# KiCad board RASBB.kicad_pcb (continued)
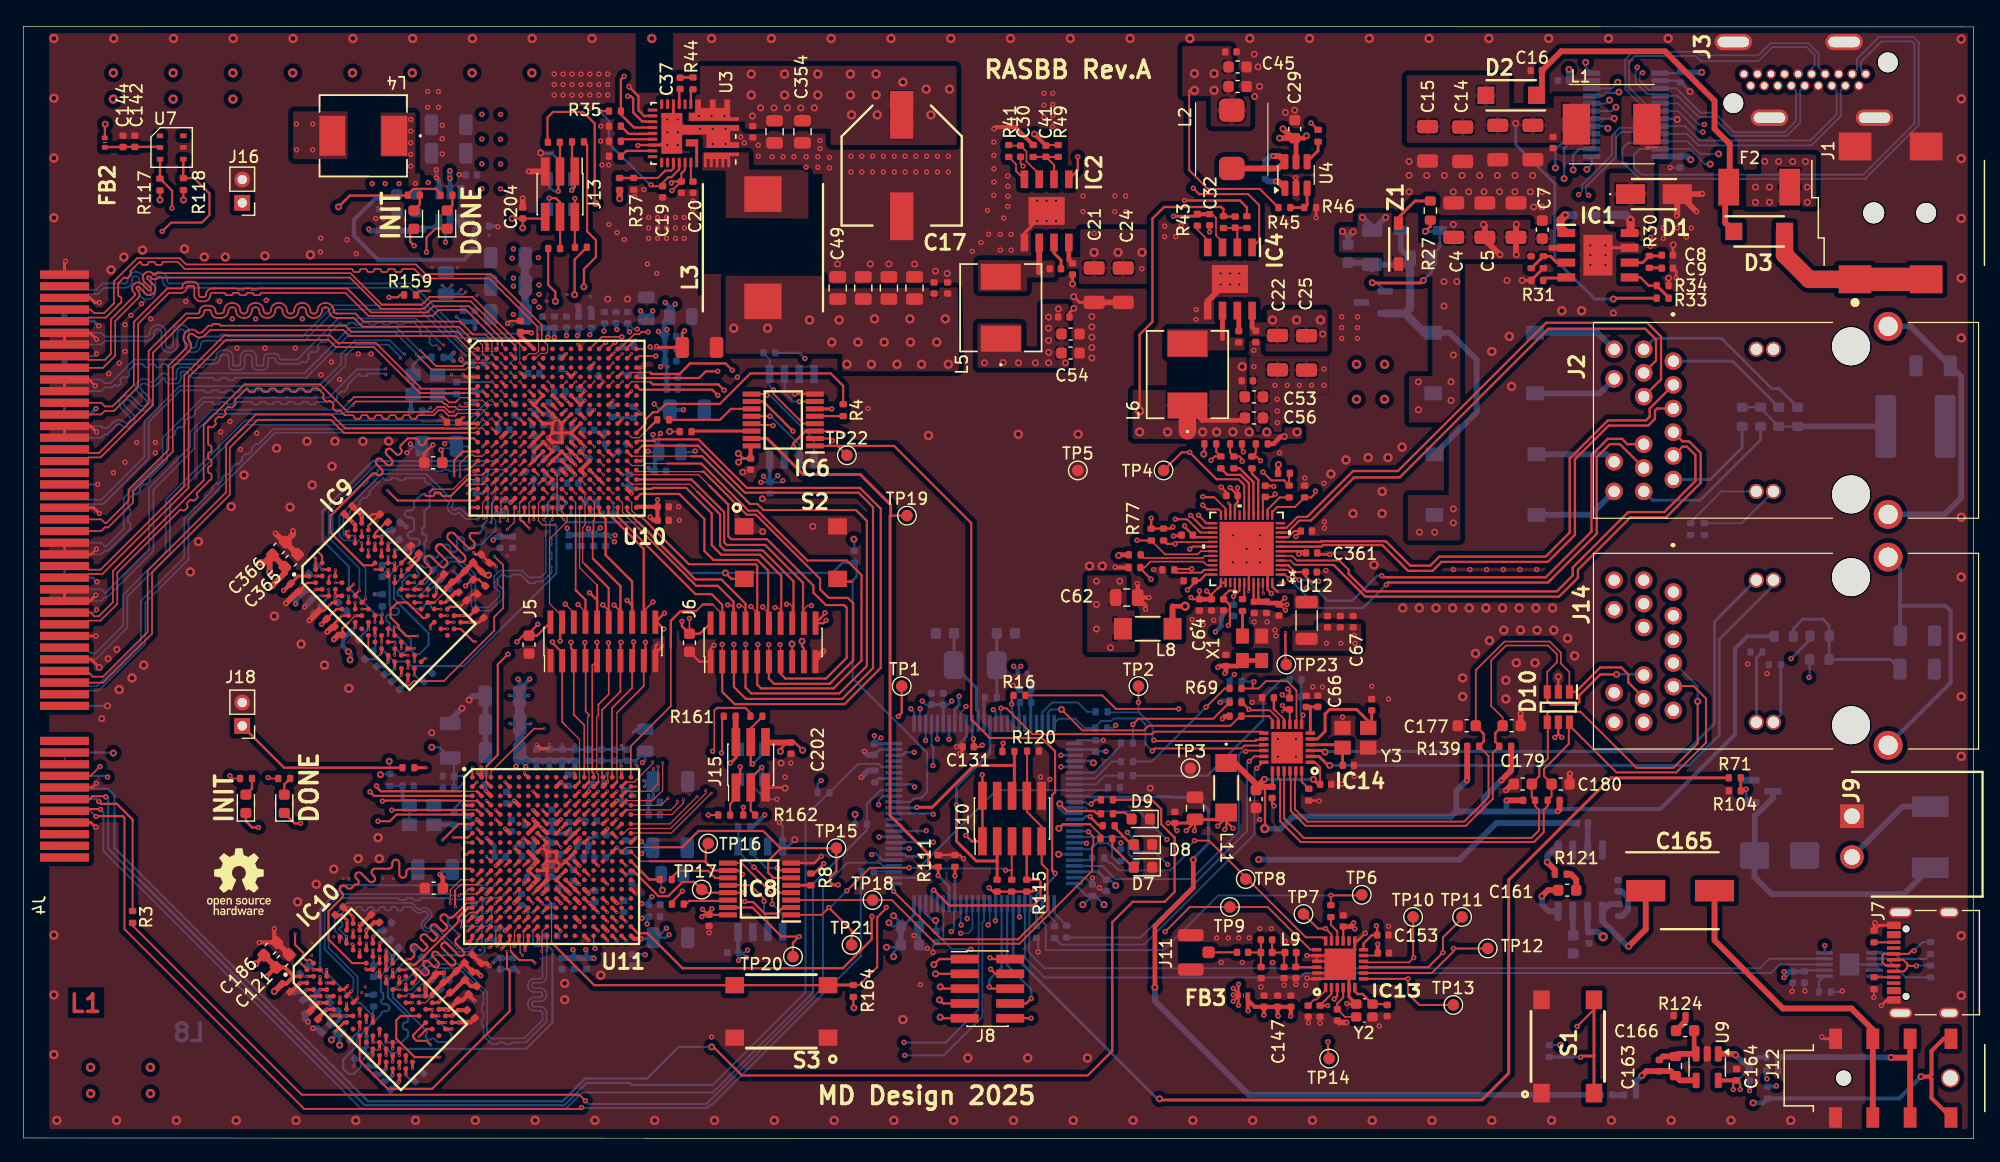
[diagram p0: board, top side]
## Routing (per net, layer and track width the routed paths; a pad name or vN(x,y) marks a point on that pad's centre or on a via; arc(x,y) is an arc through that point) (continued)
Net-(D6-K): length 24.6
  Bottom w0.5: F1.1 161.23,20.97 149.92,20.97 148.44,22.45 D6.1 148.47,24.32 148.47,27.67 150.03,29.23 Q1.3
Net-(D7-A): length 3.2
  Top w0.2: 95.15,23.28 93.38,25.05 R108.2
Net-(D8-A): length 2.1
  Top w0.2: 93.58,26.69 95.04,25.22
Net-(D9-A): length 1.7
  Top w0.2: 93.53,27.97 94.48,27.97 D9.2
Net-(D11-I/O1): length 5.6
  Top w0.186: J13.3 46.02,85.45
  Top w0.2: v4(45.87,81.27) 45.87,82.82
  Bottom w0.2: D11.1 45.1,81.64 45.47,81.27 v4(45.87,81.27)
Net-(D11-I/O2): length 5
  Top w0.186: R152.1 47.05,83.21
  Top w0.2: J13.1 47.29,81.61 v4(47.02,81.34)
  Bottom w0.2: v4(47.02,81.34) 47.02,82.29
Net-(D11-I/O3): length 5.2
  Top w0.186: J13.2 47.29,76.47
  Top w0.2: 47.29,79.07 v4(47.29,80.64)
  Bottom w0.2: D11.4 47.29,80 v4(47.29,80.64)
Net-(D11-I/O4): length 6
  Top w0.186: R155.1 46.03,79.06
  Top w0.2: v4(45.09,80.67) 45.67,80.67 46.02,80.32 J13.4
  Bottom w0.2: D11.6 45.1,80.66 v4(45.09,80.67)
Net-(D12-I/O1): length 4.9
  Top w0.177: J15.3 62.37,28.14 R162.1
  Top w0.2: v4(63.32,31.84) 62.37,30.89
  Bottom w0.2: v4(63.32,31.84) 63.4,31.76 D12.1
Net-(D12-I/O2): length 4.7
  Top w0.177: 61.1,29.2 60.61,28.71 R160.1
  Top w0.2: v4(61.47,31.89) 61.47,30.49 J15.1
  Bottom w0.2: D12.3 61.5,31.86 v4(61.47,31.89)
Net-(D12-I/O3): length 5.4
  Top w0.25: v4(60.62,32.22) 60.65,32.22 61.1,32.67 J15.2
  Top w0.5: R161.1 61.08,34.04
  Bottom w0.25: 61.5,33.1 v4(60.62,32.22)
Net-(D12-I/O4): length 5.8
  Top w0.177: J15.4 62.37,35.2 63.37,36.2
  Top w0.2: 62.42,32.02 62.37,32.07 J15.4
  Bottom w0.2: v4(62.53,32.13) 63.4,33
Net-(D13-A): length 1.5
  Top w0.2: D13.2 34,80.12 34,80.92
Net-(D14-A): length 1.7
  Top w0.141: 22.44,29.44 D14.2
  Top w0.2: D14.2 22.38,30.39 R56.2
Net-(D15-A): length 1.5
  Top w0.2: D15.2 36.79,80.07 R54.2
Net-(D16-A): length 1.7
  Top w0.141: 19.15,29.44 D16.2
  Top w0.2: R103.2 19.61,30.03 D16.2
Net-(F1-Pad2): length 8.5
  Bottom w0.5: F1.2 161.12,28.48 J9.2
Net-(IC1-BOOT): length 2.6
  Top w0.7: IC1.1 131.82,78.17 131.82,78.82 v1(132.22,79.22)
  Bottom w0.7: C10.1 v1(132.22,79.22)
Net-(IC1-COMP): length 2.9
  Top w0.25: 140.43,75.72 R30.2 138.85,75.14 IC1.6
Net-(IC1-EN): length 3.6
  Top w0.25: 129.32,74.67 R29.2 130.95,75.69 131.5,75.14 IC1.3
Net-(IC1-FB): length 4.1
  Top w0.2: R34.1 139.37,73.17 138.66,73.88 IC1.5
  Top w0.25: 141.08,72.15 R34.1
Net-(IC1-RT/SYNC): length 2
  Top w0.25: 132.25,73.82 130.53,73.82 R31.2
Net-(IC1-SW): length 4.3
  Top w0.16: 139.25,84.89 139.4,85.04 ; 139.11,85.04 140.1,85.04
  Top w0.7: 137.82,77.77 v1(137.82,78.82)
  Bottom w0.7: R32.1 137.4,79.24 v1(137.82,78.82)
Net-(IC2-PG): length 2.5
  Top w0.141: 85.12,83.22 85.12,83.58 R41.2
  Top w0.17: IC2.4 85.12,83.01 85.12,83.22
Net-(IC2-SW): length 2.6
  Top w0.5: 87.12,74.32 87.11,74.33 IC2.6
Net-(IC2-VBST): length 2.5
  Top w0.25: C35.2 88.98,75.36 88.38,75.96 IC2.7
Net-(IC2-VFB): length 4.3
  Top w0.17: R49.2 87.69,84.21 ; C41.2 88.38,83.52 IC2.2 ; R50.2 87.68,84.21
Net-(IC3-SW): length 5.7
  Bottom w0.25: v4(36.57,82.37) 36.59,82.35
  Bottom w0.4: 36.59,82.35 IC3.2
  Bottom w0.5: v4(29.62,78.02) 29.76,77.88 33.19,77.88 C34.1 ; v4(36.57,82.37) v4(36.57,83.02)
  vias: v4(23.42,87.02) v4(23.42,84.82) v4(24.82,87.02) v4(24.82,84.82)
Net-(IC3-VBST): length 1.8
  Bottom w0.25: 34.12,78.25 34.19,78.17 35.13,78.17 IC3.6
Net-(IC3-VFB): length 2.7
  Bottom w0.35: 38.62,77.25 38.62,77.99 38.9,78.27 38.49,78.68 IC3.4
Net-(IC4-PG): length 2.2
  Top w0.141: R43.2 100.67,77.97 101.56,77.08 IC4.4
Net-(IC4-SW): length 3.4
  Top w0.4: 102.82,71.03 102.82,70.11 ; 102.82,68.62 102.82,71.02 ; C36.1 104.1,68.31
Net-(IC4-VBST): length 1.6
  Top w0.4: 104.22,70.9 C36.2
Net-(IC4-VFB): length 3.5
  Top w0.17: C43.2 104.89,78.14 ; R51.1 103.88,78.11 ; IC4.2 104.09,77.95
Net-(IC5-CS#): length 8.5
  Top w0.16: IC6.4 66.88,61.33 64.32,63.88 v4(64.32,64.22)
  Bottom w0.16: v4(64.32,64.22) 64,64.54 IC5.1 64,66.86 R53.2
Net-(IC5-SCK): length 6.4
  Top w0.16: v4(64.02,61.97) IC6.12
  Bottom w0.16: IC5.6 66.53,59.53 64.1,61.97 v4(64.02,61.97)
Net-(IC5-SI/IO0): length 8.7
  Top w0.16: IC6.9 63.67,63.87 v4(63.77,63.77)
  Bottom w0.16: v4(63.77,63.77) 64.02,63.77 67.81,59.98 IC5.5
Net-(IC5-SO/IO1): length 4.5
  Top w0.16: v4(66.54,63.22) 67.86,63.22
  Bottom w0.16: 65.26,65.59 65.26,63.97 66.02,63.22 v4(66.54,63.22)
Net-(IC7-CS#): length 7.7
  Top w0.16: v4(62.65,23.3) 64.85,21.1 IC8.4
  Bottom w0.16: R55.2 61.31,25.08 ; v4(62.65,23.3) 61.29,24.65
Net-(IC7-SCK): length 6.6
  Top w0.16: v4(63.52,20.37) 63.52,20.57 62.35,21.74 60.42,21.74
  Bottom w0.16: v4(63.52,20.37) 63.52,19.27 63.84,18.95 63.84,17.71
Net-(IC7-SI/IO0): length 8.6
  Top w0.16: v4(64.22,20.12) 64.22,21 61.58,23.64 60.42,23.64
  Bottom w0.16: v4(64.22,20.12) 65.1,19.23 IC7.5
Net-(IC7-SO/IO1): length 4.5
  Top w0.16: IC8.7 64.86,23.01 v4(64.65,23.22)
  Bottom w0.16: v4(64.65,23.22) 63.69,23.22 62.56,24.34 IC7.2
Net-(IC9-ZQ): length 2.7
  Top w0.1: IC9.L8 v2(34.68,46.56)
  Bottom w0.1: v2(34.68,46.56) 34.68,46.83 35.25,47.4 36.31,47.4
Net-(IC10-ZQ): length 2.7
  Top w0.25: IC10.L8 v2(33.93,12.23)
  Bottom w0.35: v2(33.93,12.23) 35.15,12.23 R90.1
Net-(IC12-PH1-OSC_OUT): length 2.2
  Bottom w0.25: 82.38,37.78 IC12.13
Net-(IC13-DCC_FB): length 18.3
  Top w0.177: 111.19,11.44 112.17,12.42 IC13.2
  Top w0.2: v4(116.02,18.27) 116.09,18.2 C153.1 115.65,17.47 114.92,16.74 IC13.12 ; C150.1 v4(111.84,11.42)
  In1.Cu w0.2: v4(111.84,11.42) 111.65,11.62 111.65,16.89 112.57,17.82 112.57,19.29 112.92,19.64 112.92,19.69 115.17,19.69 116.02,18.84 v4(116.02,18.27)
Net-(IC13-RFIO): length 3
  Top w0.177: L9.1 109.16,14.78 ; IC13.22 109.14,14.71
Net-(IC13-VR_PA): length 2
  Top w0.141: 111.67,12.72 110.87,11.92 110.67,11.92 C151.1
Net-(IC13-XTA): length 4
  Top w0.141: C149.1 113.32,10.44 Y2.3
  Top w0.177: 113.17,12.09 112.67,11.59 C149.1
  Top w0.186: 113.17,12.09 IC13.4
Net-(IC13-XTB): length 3.5
  Top w0.2: IC13.6 114.17,12.64 114.41,12.41 114.83,12.41 Y2.1 116.88,11.54
Net-(IC14-CRS_DV/~{MODE2}): length 5.2
  Top w0.141: IC14.11 107.61,36.03 106.9,36.74 106.65,36.74
  Top w0.16: 104.47,37.42 v4(105.07,36.82) 105.15,36.74 106.65,36.74
  Bottom w0.16: R137.1 105.07,36.94 v4(105.07,36.82)
Net-(IC14-RBIAS): length 1.8
  Top w0.16: IC14.24 109.61,30.63 R134.2
Net-(IC14-RXD0/~{MODE0}): length 9.9
  Top w0.141: 109.17,35.6 109.17,38.44
  Top w0.16: 105.42,38.62 R69.2 ; 105.42,38.62 105.42,39.09 v4(105.52,39.19) ; 105.42,38.62 105.92,38.62 106.54,39.24 108.37,39.24 109.17,38.44
  Bottom w0.16: R133.1 105.5,39.22 v4(105.52,39.19)
Net-(IC14-RXD1/~{MODE1}): length 3.6
  Top w0.16: v4(109.73,36.33) 109.61,36.21 IC14.7
  Bottom w0.16: 109.53,37.62 109.53,36.53 v4(109.73,36.33)
  Bottom w0.2: 109.56,39.32 109.56,37.89
Net-(IC14-RXER/~{PHYAD0}): length 2.6
  Top w0.141: 107.37,36.72 108.11,35.98 IC14.10
  Top w0.2: 107.37,36.72 107.23,36.86 R135.1
Net-(IC14-VDDCR): length 3.3
  Top w0.25: 110.9,37.04 110.4,37.04 ; 110.4,37.04 110.36,37 IC14.6 ; 110.4,37.04 109.91,37.04
Net-(IC14-XTAL1/CLKIN): length 9.1
  Top w0.25: IC14.5 110.97,34.29 111.62,34.94 111.62,36.42 112.02,36.82 114.32,36.82 115.32,35.82 Y3.1 ; C176.1 115.62,35.54
Net-(IC14-XTAL2): length 4
  Top w0.25: IC14.4 112.87,33.79 ; Y3.3 113.12,32.04
Net-(J2-GN_K): length 6.7
  Bottom w0.17: J2.18 145.61,55.52 142.97,52.88
Net-(J2-MDCT1): length 13.6
  Bottom w0.25: J2.12 139.7,54.76 143.78,54.76 148.97,59.95 148.97,61.09
Net-(J2-MDCT2): length 8.9
  Bottom w0.25: 147.39,61.09 147.39,59.28 144.65,56.54 J2.6
Net-(J2-MDCT3): length 10.7
  Bottom w0.25: J2.1 146.57,66.69 150.51,62.74
Net-(J2-MDCT4): length 16
  Bottom w0.25: R81.2 150.54,64.34 149.93,64.34 145.62,68.65 139.88,68.65 J2.7
Net-(J2-VDC1+): length 7.4
  Bottom w0.5: J2.13 134.98,69.13 D4.4
Net-(J2-VDC1-): length 7.3
  Bottom w0.5: D4.2 135.17,63.93 J2.14
Net-(J2-VDC2+): length 6.9
  Bottom w0.5: D5.4 135.76,58.7 J2.15
Net-(J2-VDC2-): length 7.3
  Bottom w0.5: 129.93,53.52 134.41,53.52 J2.16
Net-(J2-YL_K): length 7.1
  Bottom w0.17: J2.20 147.34,52.79 R83.1
Net-(J7-CC1): length 1.7
  Top w0.177: J7.A5 R97.1
Net-(J7-CC2): length 1.7
  Top w0.177: R98.1 160.37,16.84
Net-(J7-D+-PadA6): length 6.3
  Top w0.177: v4(162.12,16.12) 161.92,16.12 161.65,15.85 J7.B6 159.55,15.85 159.42,15.72 159.42,15.12 159.69,14.85 J7.A6
  Bottom w0.177: v4(162.12,16.12) 162.86,16.86 R100.2
Net-(J7-D--PadA7): length 5.1
  Top w0.177: 161.52,15.02 161.52,14.62 161.25,14.35 J7.B7 ; 161.52,15.02 161.19,15.35 J7.A7 ; 161.52,15.02 161.72,14.82 v4(162.32,14.82)
  Bottom w0.177: R99.2 162.36,14.86 v4(162.32,14.82)
Net-(J11-In): length 2.4
  Top w0.177: C159.1 J11.1
Net-(J14-GN_K): length 6.2
  Bottom w0.25: R150.1 148.62,41.25 148.62,35.77
Net-(J14-MDCT1): length 16.9
  In4.Cu w0.17: 139.31,35.43 145.84,35.43 v4(151.59,41.17)
  Bottom w0.25: v4(151.59,41.17) 153.19,42.78
Net-(J14-MDCT2): length 14.3
  In3.Cu w0.2: v4(153.12,39.57) 152.62,39.07 143.78,39.07 141.51,36.79
  Bottom w0.2: 153.18,41.1 153.18,39.62 v4(153.12,39.57)
Net-(J14-YL_K): length 5.1
  Bottom w0.25: R151.1 150.7,36.38 150.09,35.77
Net-(J16-Pin_1): length 19.5
  Top w0.177: 32.64,72.38 32.33,72.38 32.12,72.17 v4(31.36,72.17)
  In3.Cu w0.177: 31.28,72.25 22.9,72.25 18.77,76.38 J16.1
Net-(J18-Pin_1): length 15.2
  Top w0.2: R167.1 22.36,31.82 J18.1
Net-(Q1-G): length 2.9
  Top w0.25: v4(147.73,29.98) 147.59,29.84 R104.1 R71.2
  Bottom w0.25: v4(147.73,29.98) 147.73,29.27 Q1.1
Net-(R27-Pad2): length 3.8
  Top w0.25: R27.2 119.34,80.44 117.92,79.02 Z1.2
Net-(R121-Pad1): length 3
  Top w0.5: 131.32,22.68 131.32,23.06 v1(130.67,23.72)
  Bottom w0.5: v1(130.67,23.72) 130.67,24.22 131.2,24.75 U8.1
Net-(U2-G): length 12.8
  Top w0.25: v1(120.22,77.82) 120.65,78.24 R27.1 ; v1(120.04,73.62) 119.82,73.39 115.69,73.39 v1(115.67,73.42)
  Bottom w0.25: U1.1 121.46,76.46 120.73,75.73 ; R26.2 120.73,74.31 v1(120.04,73.62) ; v1(120.22,77.82) 121.37,77.82 ; U2.1 116.04,73.42 v1(115.67,73.42)
Net-(U3A-ADDR): length 3
  Top w0.2: R40.2 51.9,86.19 53.91,86.19 U3.14
Net-(U3A-BOOT): length 1.3
  Top w0.2: U3.6 56.24,89.96 C37.1
Net-(U3A-EN): length 5.4
  Top w0.17: R37.2 54.41,82.41 55.04,83.04
  Top w0.177: 55.04,83.04 55.56,83.04 55.74,83.22 U3.21
  Top w0.2: R36.1 52.33,82.4
Net-(U3A-PH): length 1.4
  Top w0.2: U3.4 57.24,89.83
  Top w0.25: 57.24,89.83 R44.1
Net-(U3A-RT/SYNC): length 2.9
  Top w0.2: R38.2 51.7,84.73 U3.17
Net-(U3A-VSET): length 2.5
  Top w0.2: 51.41,85.73 U3.15
Net-(U3B-PVCC): length 1.4
  Top w0.17: U3.24 57.24,82.28
Net-(U3B-VDD): length 12.8
  Top w0.17: v4(53.82,81.82) 53.94,81.7 C19.1
  Top w0.177: U3.22 56.24,83.14 55.57,82.47 55.31,82.47 54.82,81.98 C19.1
  Top w0.2: v4(49.42,88.12) 49.44,88.14 R35.1
  Bottom w0.2: v4(53.82,81.82) 53.75,81.82 50.22,85.34 50.22,87.32 v4(49.42,88.12)
Net-(U4-BST): length 2
  Top w0.5: v4(107.38,82.11) 107.59,82.11 U4.1
  Bottom w0.5: C33.1 106.73,82.11 v4(107.38,82.11)
Net-(U4-EN): length 2.1
  Top w0.25: R42.2 111.02,84.74 U4.4
Net-(U4-FB): length 2.9
  Top w0.25: R45.1 109.83,79.86 ; U4.3 110.08,80.11 R46.2
Net-(U4-SW): length 7.4
  Top w0.5: L2.1 107.6,83.22 U4.6 107.69,84.29 v4(107.18,84.29)
  Bottom w0.5: v4(107.18,84.29) 106.93,84.29 106.5,83.86 C33.2
Net-(U6-TNOW): length 1.5
  Bottom w0.2: 153.97,12.59 153.97,13.47 154.43,13.94
Net-(U6-UD+): length 5.2
  Bottom w0.177: R100.1 163.12,15.42 160.92,15.42 160.4,15.94 U6.1
Net-(U6-UD-): length 5.5
  Bottom w0.177: U6.2 159.8,15.44 161.4,13.84 R99.1
Net-(U7-VDD): length 4.6
  Top w0.2: 8.56,85.07 C142.1 11.67,85.07 ; C144.1 7.01,85.06
Net-(U8-BYPASS): length 2
  Bottom w0.5: U8.7 132.87,17.46
Net-(U9-+): length 6.7
  Top w0.5: v1(146.83,7.17) 146.72,7.28 U9.1
  Bottom w0.177: 147,4.98 R125.1
  Bottom w0.35: 147.49,6.51 147.51,6.51 R125.1 148.02,6.22 148.77,6.97 148.76,6.98 C167.1
  Bottom w0.5: 147.49,6.51 v1(146.83,7.17)
Net-(U9--): length 5.4
  Top w0.4: U9.3 143.27,7.45 C166.1
  Top w0.5: U9.3 141.88,7.28 R123.1 140.59,7.05 C163.1
Net-(U10C-IO_L12N_T1_MRCC_35): length 12.1
  Top w0.1: U10.D3 v2(40.17,65.74)
  Top w0.177: v2(34.83,72.72) 34.02,72.72 R159.2
  In3.Cu w0.177: v2(34.83,72.72) 36.12,72.72 40.16,68.68 40.16,67.32 40.57,66.91 40.57,66.14 v2(40.17,65.74)
Net-(U10C-IO_L12P_T1_MRCC_35): length 3.6
  Top w0.1: U10.E3 v2(40.17,64.94)
  Bottom w0.17: R158.2 40.12,64.89 v2(40.17,64.94)
Net-(U11C-IO_L12N_T1_MRCC_35): length 8.5
  Top w0.1: U11.D3 v2(39.7,29)
  Top w0.25: v2(34.53,31.81) 34.52,31.82 R167.2 ; U11.D3 v2(39.7,29)
  In4.Cu w0.25: v2(39.7,29) 38.76,29 35.95,31.81 v2(34.53,31.81)
Net-(U11C-IO_L12P_T1_MRCC_35): length 4.3
  Top w0.25: U11.E3 v2(39.7,28.2)
  Bottom w0.2: R166.2 36.94,28.32 37.57,28.95 38.95,28.95 v2(39.7,28.2)
Net-(U12-CLK125): length 7.7
  Top w0.1: U12.46 106.29,46.8 v2(106.34,46.74)
  Top w0.2: v2(108.22,43.42) 108.22,40.74
  In3.Cu w0.177: v2(108.22,43.42) 108.22,43.84 106.34,45.72 v2(106.34,46.74)
Net-(U12-LED2/RXDLY): length 6.4
  Top w0.141: U12.32 101.32,49.99 101.13,49.81 96.08,49.81 R59.2
Net-(U12-REG_OUT): length 1
  Top w0.2: 107.54,46.89 107.09,47.35 U12.48
Net-(U12-RXD0/SELRGV): length 2.8
  Top w0.17: U12.14 106.69,53.96 107.73,55 R63.2
Net-(U12-RXD1/TXDLY): length 4.2
  Top w0.17: U12.16 105.89,54.09
  Top w0.2: R64.2 105.35,57.04 105.89,56.5 105.89,54.09
Net-(U12-RXD2/AN0): length 5
  Top w0.2: R65.2 104.3,57.5 105.48,56.32 105.48,53.5 U12.17
Net-(U12-RXD3/AN1): length 5.7
  Top w0.17: 105.09,54.01 U12.18
  Top w0.2: 105.09,54.01 105.09,56.22 104.37,56.94 103.24,56.94 R66.2
Net-(X1-OUT): length 2.1
  Top w0.25: X1.3 R73.2
Net-(X3-EN): length 5.6
  Bottom w0.25: R157.1 34.08,67.03 33.42,66.37 33.42,65.51
  Bottom w0.35: C258.1 33.24,63.68 ; 33.42,65.51 X3.4
Net-(X3-OUT): length 1.6
  Bottom w0.2: R158.1 35.53,63.87
Net-(X4-EN): length 4.6
  Bottom w0.177: R72.1 C342.1 ; X4.4 X4.1
  Bottom w0.35: C342.1 32.52,29.16 X4.1
Net-(X4-OUT): length 1.7
  Bottom w0.35: X4.3 36.93,26.93

## Copper pours and planes (outline as drawn; the poured copper is in the pictures)
+1V0 on Top: 60.22,74.02 60.22,67.32 70.22,67.32 70.22,65.82 80.22,65.82 80.22,67.42 80.12,73.02 68.62,72.92 68.62,74.02
+1V0 on Bottom: 44.42,76.47 44.52,69.17 42.12,69.22 41.67,69.22 41.67,76.82 44.37,76.82 44.42,76.77
+1V0 on In1.Cu: 44.47,71.63 80.16,71.49 80.22,67.32 80.22,65.92 70.22,65.82 70.22,67.32 57.72,67.46 57.72,31.82 47.47,31.82 47.47,25.82 53.97,25.82 53.97,23.32 47.47,23.32 47.47,16.32 49.22,16.32 49.22,14.82 45.72,14.82 45.72,20.82 43.22,20.82 43.22,31.57 41.72,31.57 41.72,39.97 45.47,39.97 45.47,34.32 52.97,34.32 52.97,68.55 46.26,68.54 46.26,64.14 47.62,64.22 47.62,62.82 46.07,62.82 46.07,62.32 45.02,62.32 45.02,61.87 47.49,61.88 47.49,58.39 50.97,58.39 51.09,53.04 51.65,53.04 51.67,52.49 51.67,50.64 46.47,50.64 46.42,52.07 46.26,57.58 43.22,57.59 43.27,64.47 44.37,64.47 44.37,63.62 45.22,63.62 45.22,68.57 41.62,68.52 41.62,76.82 44.47,76.82
+1V8 on Top: 89.65,71.57 89.62,66.12 81.82,66.12 81.82,69.92 85.62,69.92 85.62,67.57 87.32,67.52 87.32,71.62 89.62,71.62 89.62,71.42
+1V8 on In6.Cu: 51.22,72.82 56.22,72.82 56.22,65.82 81.6,65.82 81.62,70.22 85.82,70.22 85.82,67.62 87.75,67.62 87.75,71.79 89.82,71.79 89.82,70.02 89.79,65.17 87.94,65.19 87.94,64.84 87.94,64.82 60.82,30.52 50.42,30.52 50.42,21.52 44.72,21.52 44.79,27.28 43.51,27.26 43.51,29.08 43.51,29.09 43.52,29.52 43.54,33.59 56.87,33.59 82.39,63.97 55.15,63.97 55.22,69.82 53.52,69.82 53.52,68.46 52.9,68.46 53.02,60.72 48.42,60.72 48.42,58.42 47.42,58.42 47.42,62.32 46.07,62.32 46.07,62.72 46.12,62.72 46.12,64.02 44.47,64.02 44.47,64.52 43.17,64.52 43.17,60.62 40.02,60.62 40.02,60.57 37.47,60.57 37.51,66.02 35.22,66.02 35.22,67.82 37.02,67.82 37.02,71.82 35.22,71.82 35.22,73.82 40.22,73.82 40.23,73.82 51.22,73.85
+1V35 on Top: 33.67,87.72 33.62,82.82 32.77,82.87 33.02,84.22 30.62,84.22 30.62,88.02 33.62,88.02 33.67,87.52
+1V35 on Top: 33.62,88.02 30.62,88.02 30.62,84.22 33.02,84.22 33.02,81.62 34.02,81.62 34.02,82.82 33.62,82.82
+1V35 on Bottom: 33.62,88.02 33.62,82.82 34.62,82.82 34.62,80.22 29.42,80.22 29.42,82.32 33.02,82.32 33.02,84.22 32.62,84.22 32.62,88.02
+1V35 on In1.Cu: 33.82,82.82 35.82,82.82 36.22,61.22 43.22,61.12 43.22,57.02 44.82,57.02 44.82,55.42 45.62,55.42 45.62,53.42 46.32,53.42 46.37,44.99 42.43,45 41.02,45.02 41.02,37.72 41.12,31.62 37.82,31.62 37.72,24.52 43.02,24.52 43.02,20.02 44.32,20.02 44.32,18.82 45.77,18.82 45.72,9.02 41.02,2.82 28.12,2.82 21.52,10.67 17.72,14.82 18.83,15.8 25.37,22.21 35.37,26.22 35.27,32.82 18.62,48.92 30.57,60.32 33.17,60.32 33.22,74.67 33.22,80.92 29.42,80.92 29.42,82.42 32.92,82.32 32.92,88.02 33.82,88.02
+1V35 on In1.Cu: 40.22,61.02 40.22,60.22 38.42,60.22 38.42,53.62 45.67,53.62 45.67,55.42 44.82,55.42 44.82,57.02 43.22,57.02 43.22,61.02
+3V3 on Top: 94.62,45.32 95.32,45.32 95.32,41.72 91.22,41.72 91.22,48.32 94.62,48.32
+3V3 on Top: 104.92,64.32 105.62,64.32 105.62,61.02 109.62,61.02 109.62,60.02 95.12,60.02 95.12,64.22 103.32,64.22 103.32,67.02 104.92,67.02
+3V3 on In1.Cu, In6.Cu: 2.22,94.82 2.22,0.82 166.72,0.82 167.22,94.82
+5V on Top: 103.62,92.82 104.02,92.82 104.02,89.42 105.22,89.42 105.22,86.82 101.82,86.82 101.82,89.42 99.37,89.42 99.37,93.72 103.62,93.72
+5V on In6.Cu: 102.62,89.32 99.52,89.32 99.52,92.62 102.62,92.62
+12V on Top: 96.32,78.02 96.32,73.32 90.52,73.32 90.52,74.62 89.42,74.62 89.42,75.62 90.62,75.62 90.62,78.02
+12V on Top: 80.02,85.22 69.22,85.22 69.22,86.62 61.89,86.62 61.88,87.23 57.57,87.23 56.97,87.22 56.99,89.18 56.99,89.59 57.57,89.59 58.02,89.59 58.02,92.02 80.02,92.02
+12V on Top: 153.72,84.42 153.72,79.92 147.72,79.92 147.72,82.72 149.02,82.72 149.02,84.42
+12V on Top: 111.82,67.52 106.52,67.52 106.52,68.82 105.12,68.82 105.12,70.02 106.62,70.02 106.62,71.12 111.82,71.12
+12V on Bottom: 41.42,88.32 41.42,80.82 36.92,80.82 36.92,88.32
+12V on In1.Cu: 153.97,84.57 148.72,84.57 148.72,82.82 111.42,82.82 111.42,88.82 107.22,88.82 107.22,70.82 103.22,70.82 103.22,76.82 93.22,76.82 93.22,91.82 57.42,91.82 57.42,82.62 55.42,82.62 55.42,80.42 51.62,80.42 51.62,81.22 49.22,81.22 49.22,79.82 41.22,79.82 41.22,88.82 36.22,88.82 36.22,77.82 50.22,77.82 50.22,79.62 56.02,79.62 56.02,81.62 58.34,81.58 58.34,85.78 83.22,85.82 83.22,89.82 91.22,89.82 91.22,73.82 101.22,73.82 101.22,67.62 101.82,67.62 111.81,67.58 111.82,78.62 120.22,78.82 147.22,78.82 147.22,79.82 153.97,79.84
/Ethernet_FPGA/DVDD10/AVDD10 on Top: 114.72,42.97 114.67,41.87 113.47,41.82 108.82,41.82 108.82,43.62 111.02,43.62 111.02,44.22 114.72,44.17
/Ethernet_FPGA/DVDD10/AVDD10 on In6.Cu: 101.02,52.82 101.02,46.42 108.42,46.62 108.42,52.42 115.02,52.52 115.02,42.12 97.67,41.97 97.67,52.77
/POWER/12.8V on Top: 134.82,84.82 131.82,84.82 131.82,85.42 118.62,85.42 118.62,91.22 127.42,91.22 127.42,88.42 131.22,88.42 131.22,89.42 134.82,89.42
GND on Top: 111.92,67.02 105.12,67.02 105.12,64.62 105.52,64.62 105.52,60.62 107.92,60.62 107.92,63.82 111.92,63.82
GND on Top, Bottom: 2.22,94.82 2.22,0.82 166.72,0.82 167.22,94.82
GND on In2.Cu, In5.Cu: 2.22,94.82 2.22,0.82 166.72,0.82 167.22,94.82
/DDR3-01/VREF_DDR3 on In6.Cu: 30.62,60.47 18.62,48.92 33.82,34.22 41.02,41.62 41.02,45.02 46.42,45.02 46.32,53.42 45.62,53.42 45.62,55.42 44.82,55.42 44.82,57.02 43.22,57.02 43.22,58.62 36.82,58.72 36.82,60.52 30.62,60.52
/DDR3-2/VREF_DDR3 on In6.Cu: 17.77,14.97 25.37,22.22 35.37,26.22 37.67,26.22 37.67,24.42 43.02,24.52 43.02,20.02 44.32,20.02 44.32,18.82 45.67,18.82 45.72,9.07 41.02,2.82 28.12,2.82 17.72,14.67 17.77,15.02
/RF_Transceiver/LORA_VDDIO on In1.Cu: 104.54,12.82 104.54,9.79 108.44,9.79 108.44,8.44 117.04,8.37 117.09,16.74 114.82,16.82 114.82,18.82 112.65,18.82 112.65,17.82 113.52,17.82 113.52,15.82 116.22,15.82 116.22,9.82 109.22,9.82 109.22,12.82
/VDC_IN on Top, In1.Cu: 118.72,51.32 123.22,51.32 123.22,75.42 131.22,75.42 131.22,78.02 129.22,78.02 129.22,78.82 121.42,78.82 121.42,76.82 119.62,76.82 119.62,79.42 114.42,79.42 114.42,78.22 112.82,78.22 112.82,76.02 116.62,76.02 116.62,73.92 120.82,73.92 120.82,65.42 118.82,65.42 118.82,61.42 122.22,61.42 122.22,55.22 118.72,55.22
/VDC_IN on Bottom: 123.12,51.62 119.42,51.62 119.42,55.02 123.12,55.02
/VDC_IN on Bottom: 122.82,62.02 119.12,62.02 119.12,65.42 122.82,65.42
Net-(IC1-SW) on Top: 139.82,77.02 139.82,84.02 141.02,84.02 141.02,89.42 137.02,89.42 137.02,84.22 138.02,84.22 138.02,82.82 136.02,82.82 136.02,78.22 136.82,78.22 136.82,77.02
Net-(IC2-SW) on Top: 88.47,75.17 88.42,73.87 86.07,73.87 86.07,72.67 81.87,72.67 81.87,75.37 88.47,75.32
Net-(IC3-SW) on Top: 23.12,84.02 27.82,84.02 27.82,88.12 23.12,88.12
Net-(IC3-SW) on In6.Cu: 37.02,83.22 36.02,83.22 36.02,81.22 26.42,81.22 26.42,87.62 23.05,87.64 23.05,84.24 25.62,84.22 25.62,80.82 29.22,80.82 29.22,77.82 30.02,77.82 30.02,80.22 37.02,80.22
Net-(IC4-SW) on Top: 104.72,67.62 103.22,67.62 101.59,67.61 101.59,67.03 98.05,67.03 98.07,69.47 103.47,69.47 103.47,68.72 104.72,68.72
Net-(U3A-SW) on Top: 67.3,83.1 67.32,78.92 60.22,78.97 60.22,83.02 58.22,83.02 58.22,84.59 62.22,84.59 62.22,83.12
Net-(U12-REG_OUT) on Top: 111.15,45.44 108.92,45.42 108.92,46.74 107.5,46.77 107.5,47.14 109.17,47.12 109.17,46.62 111.09,46.62

Small or netless copper shapes (teardrops, artwork), in the pictures only: 2 on Top

## Text on the board
Bottom: L8
B.Silkscreen: RASBB Rev. A / Designed by Mina
Top: L1
F.Silkscreen: J4 | MD Design 2025 | RASBB Rev.A | INIT | DONE
In1.Cu: L2
In2.Cu: L3
In3.Cu: L4
In4.Cu: L5
In5.Cu: L6
In6.Cu: L7
User.1: F.Silkscreen | F.Paste | F.Mask | F.Cu | Dielectric | In1.Cu | In2.Cu | In3.Cu | In4.Cu | In5.Cu | In6.Cu | B.Cu | B.Mask | B.Paste | B.Silkscreen | Top Silk Screen | Top Solder Paste | Top Solder Mask | copper | prepreg | core | Bottom Solder Mask | Bottom Solder Paste | Bottom Silk Screen | Not specified | FR4 | 0 mm | 0.01 mm | 0.035 mm | 0.1164 mm | 0.0152 mm | 0.3 mm | 0.152 mm | 1 | 3.3 | 4.5 | 0 | 0.02 | Copper Layer Count: | Board overall dimensions: | Min track/spacing: | Copper Finish: | Castellated pads: | Edge card connectors: | 8 | 167.2300 mm x 95.4213 mm | 0.1000 mm / 0.1000 mm | None | No | Board Thickness: | Min hole diameter: | Impedance Control: | Plated Board Edge: | 1.6180 mm | 0.1500 mm | Yes | Layer Name | Type | Material | Thickness (mm) | Color | Epsilon R | Loss Tangent | BOARD CHARACTERISTICS
